# Altium PCB MotorBoard.PcbDoc (part 1 of 2)
Units mm, origin at the board's own origin, x right, y up, seen from the top; angles counter-clockwise.
Board outline 21 x 37.5 mm, 8 copper layers (Top Layer, GND 1, Layer 3, PWR 1, GND 2, Layer 4, PWR 2, Bottom Layer), stack 1.994 mm thick; 130 components, 81 nets, 481 pads, 304 vias.
Unrouted connection lines stored in the file: 4.
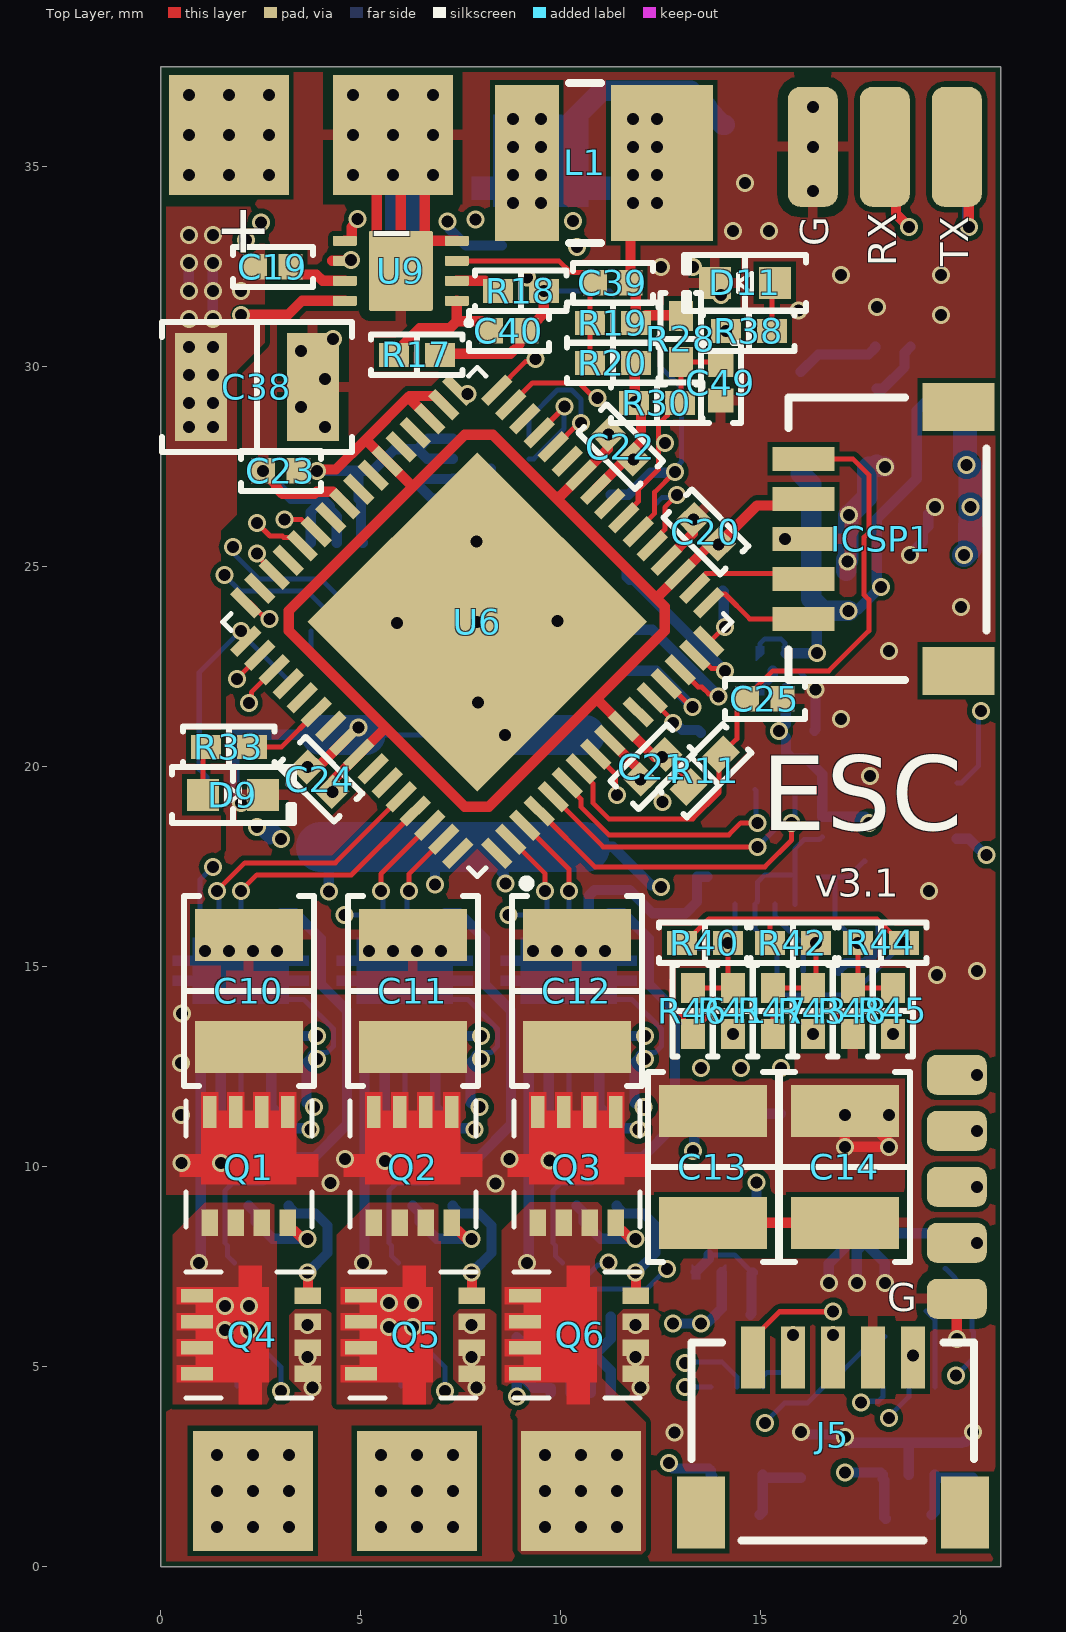
[diagram p0: Top Layer view]
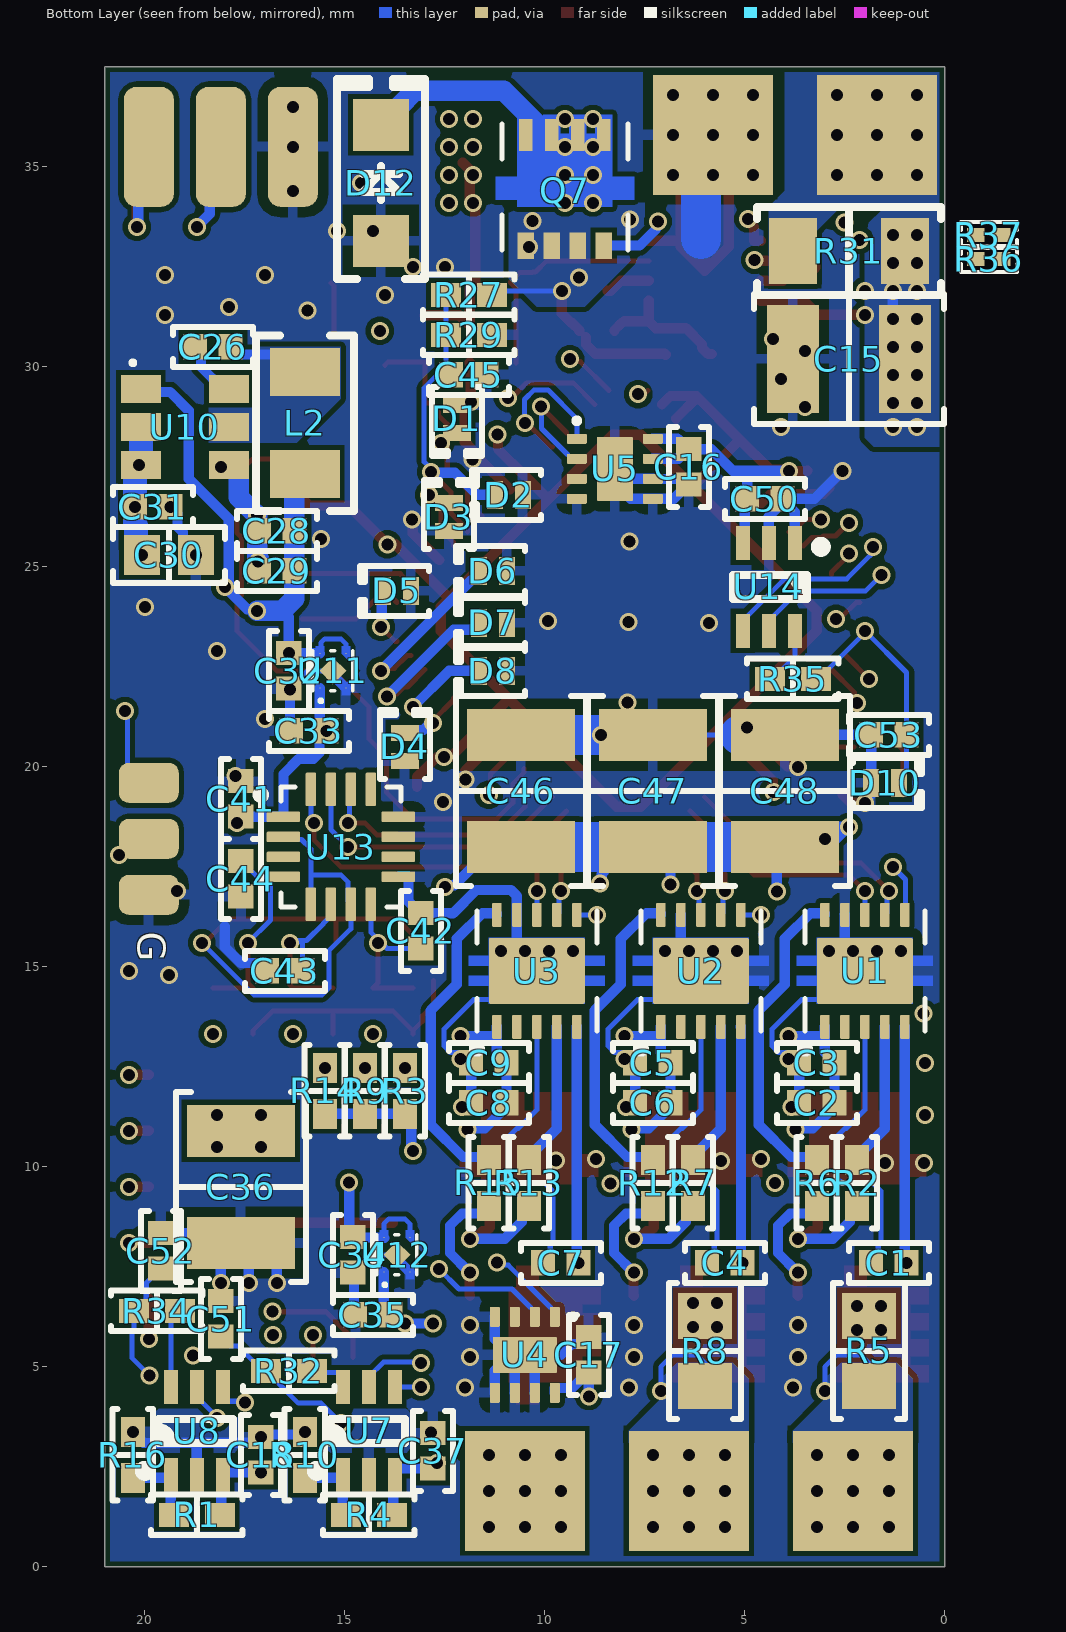
[diagram p1: Bottom Layer view, seen from below]
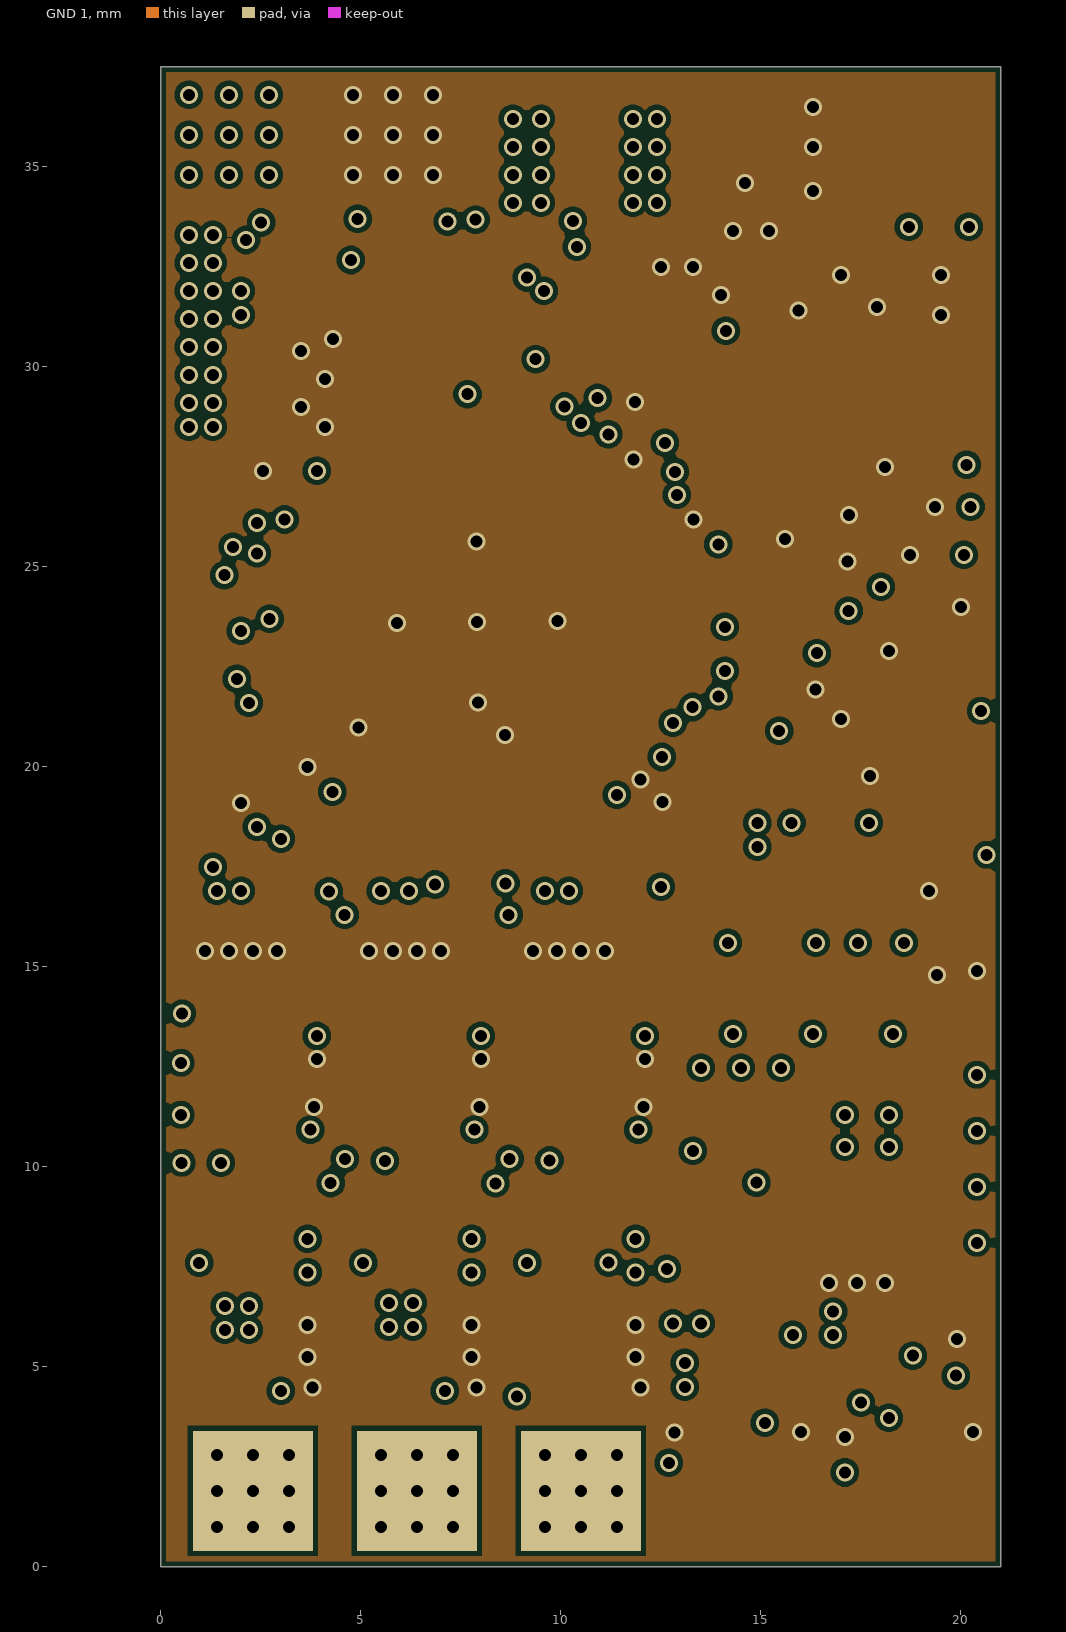
[diagram p2: GND 1]
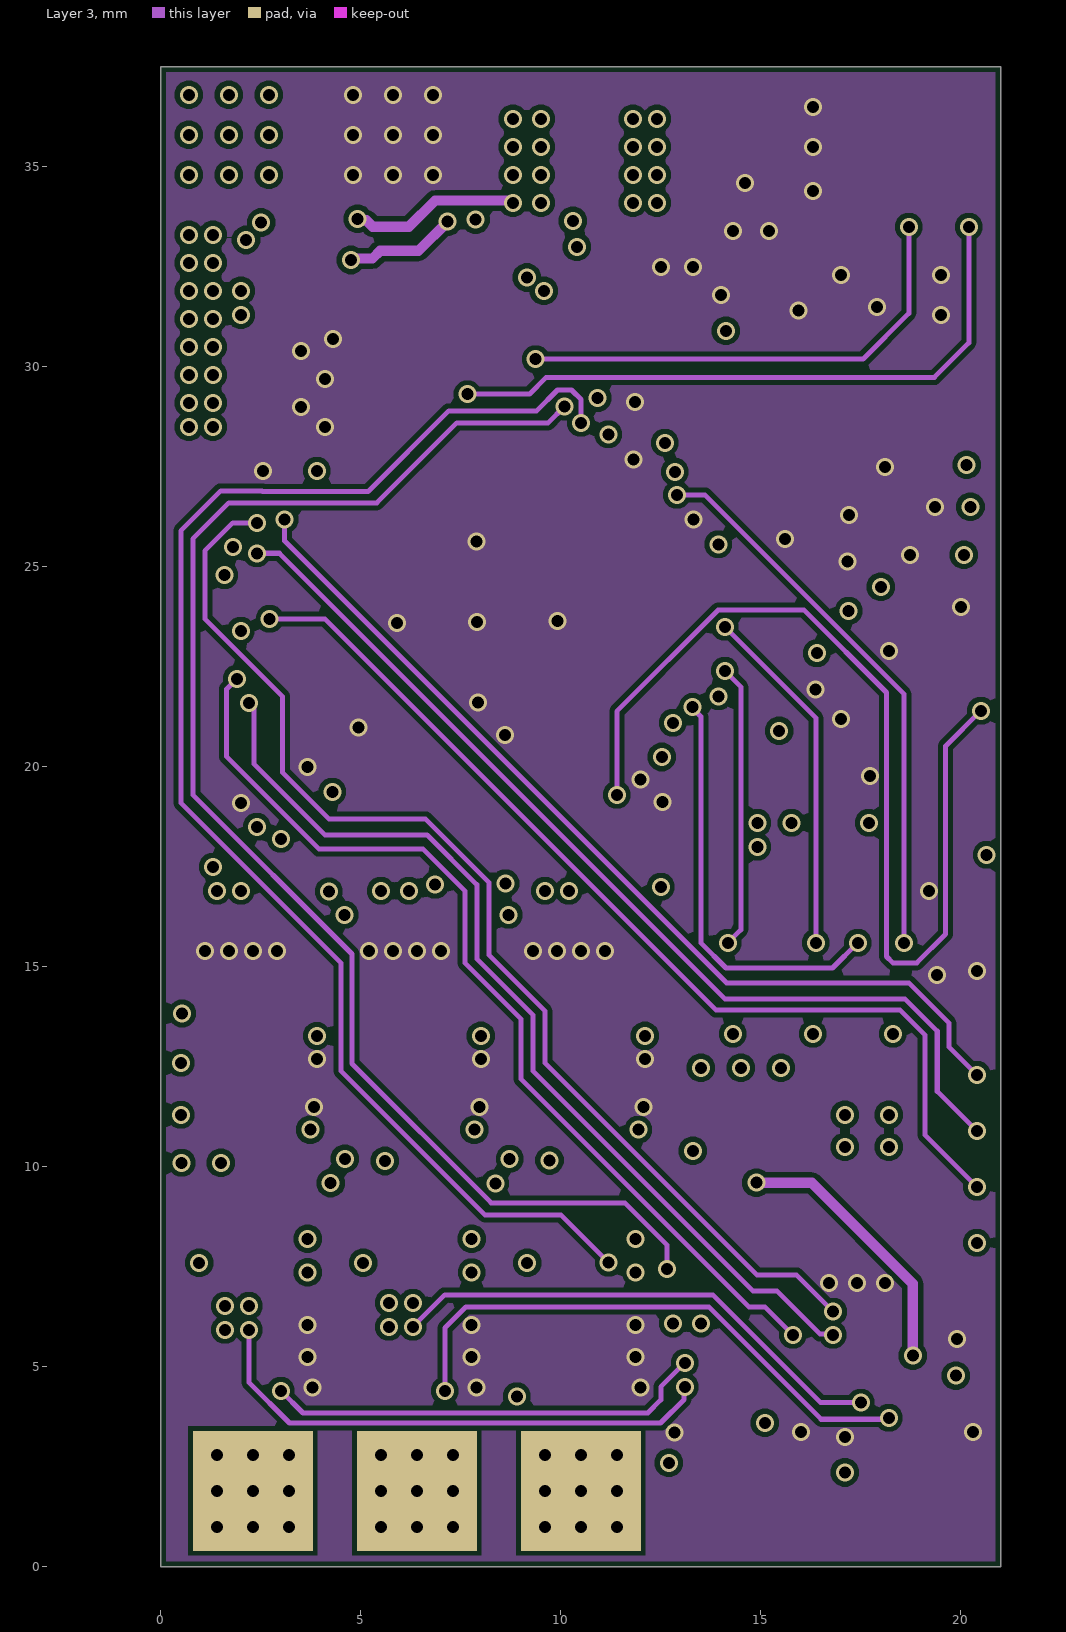
[diagram p3: Layer 3]
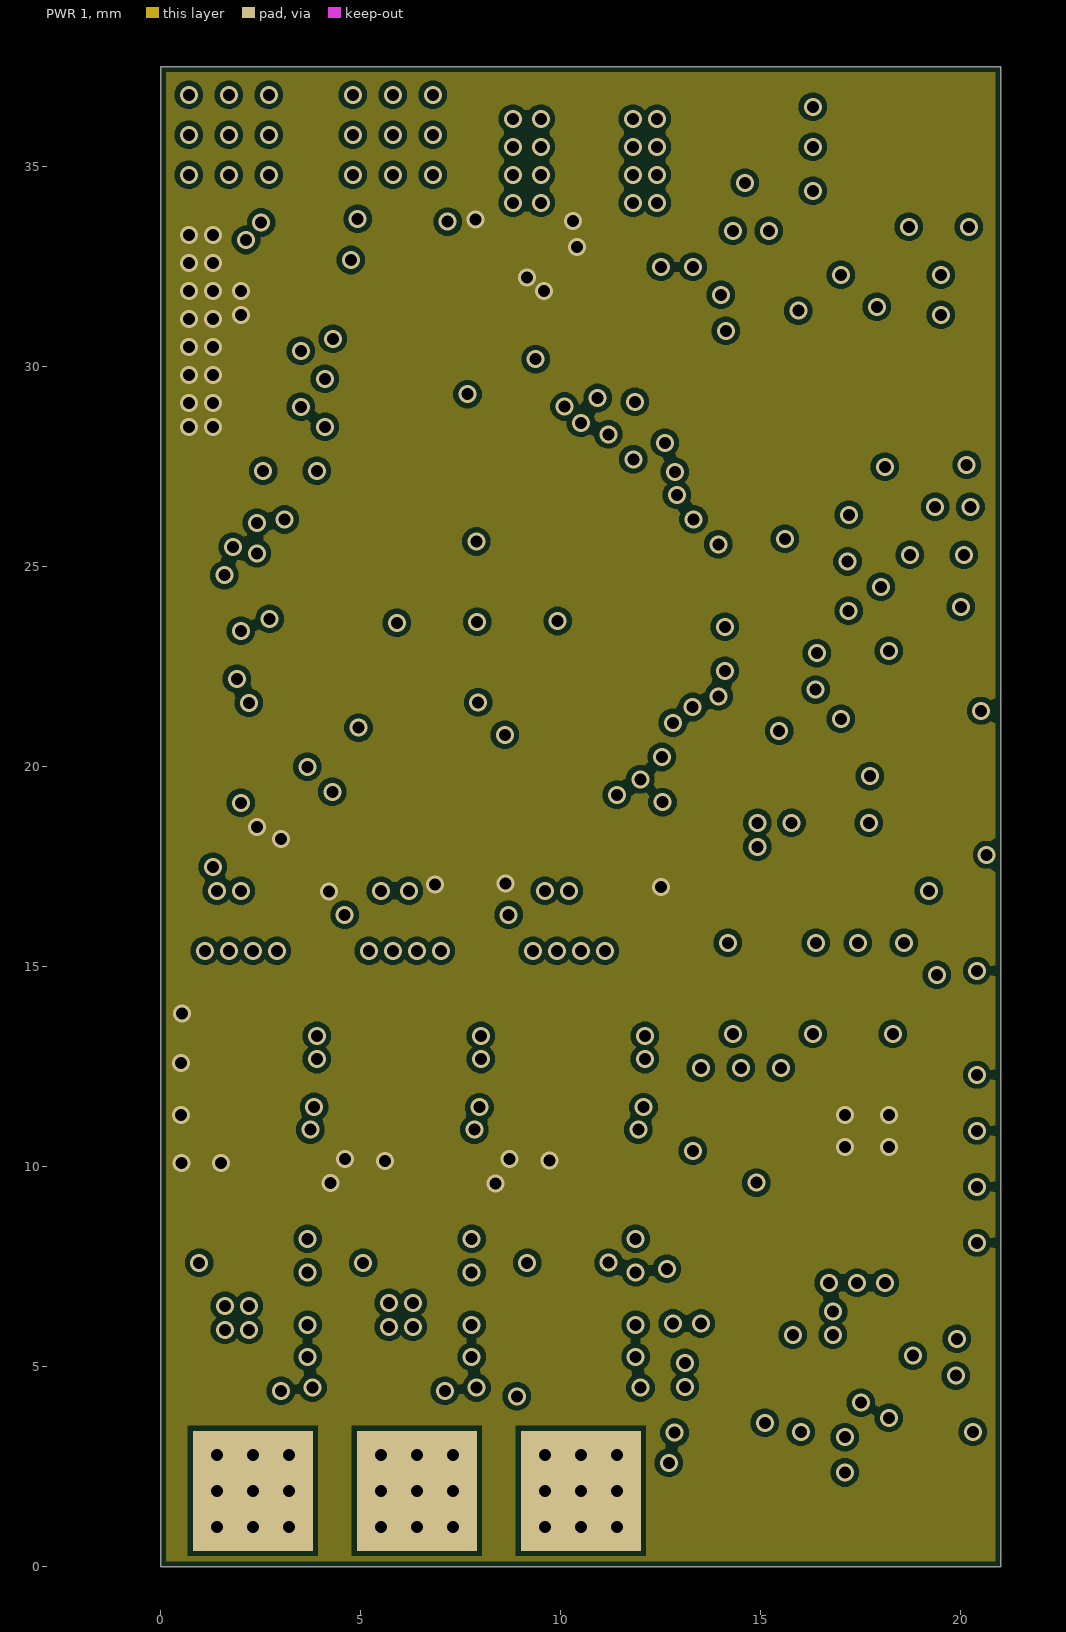
[diagram p4: PWR 1]
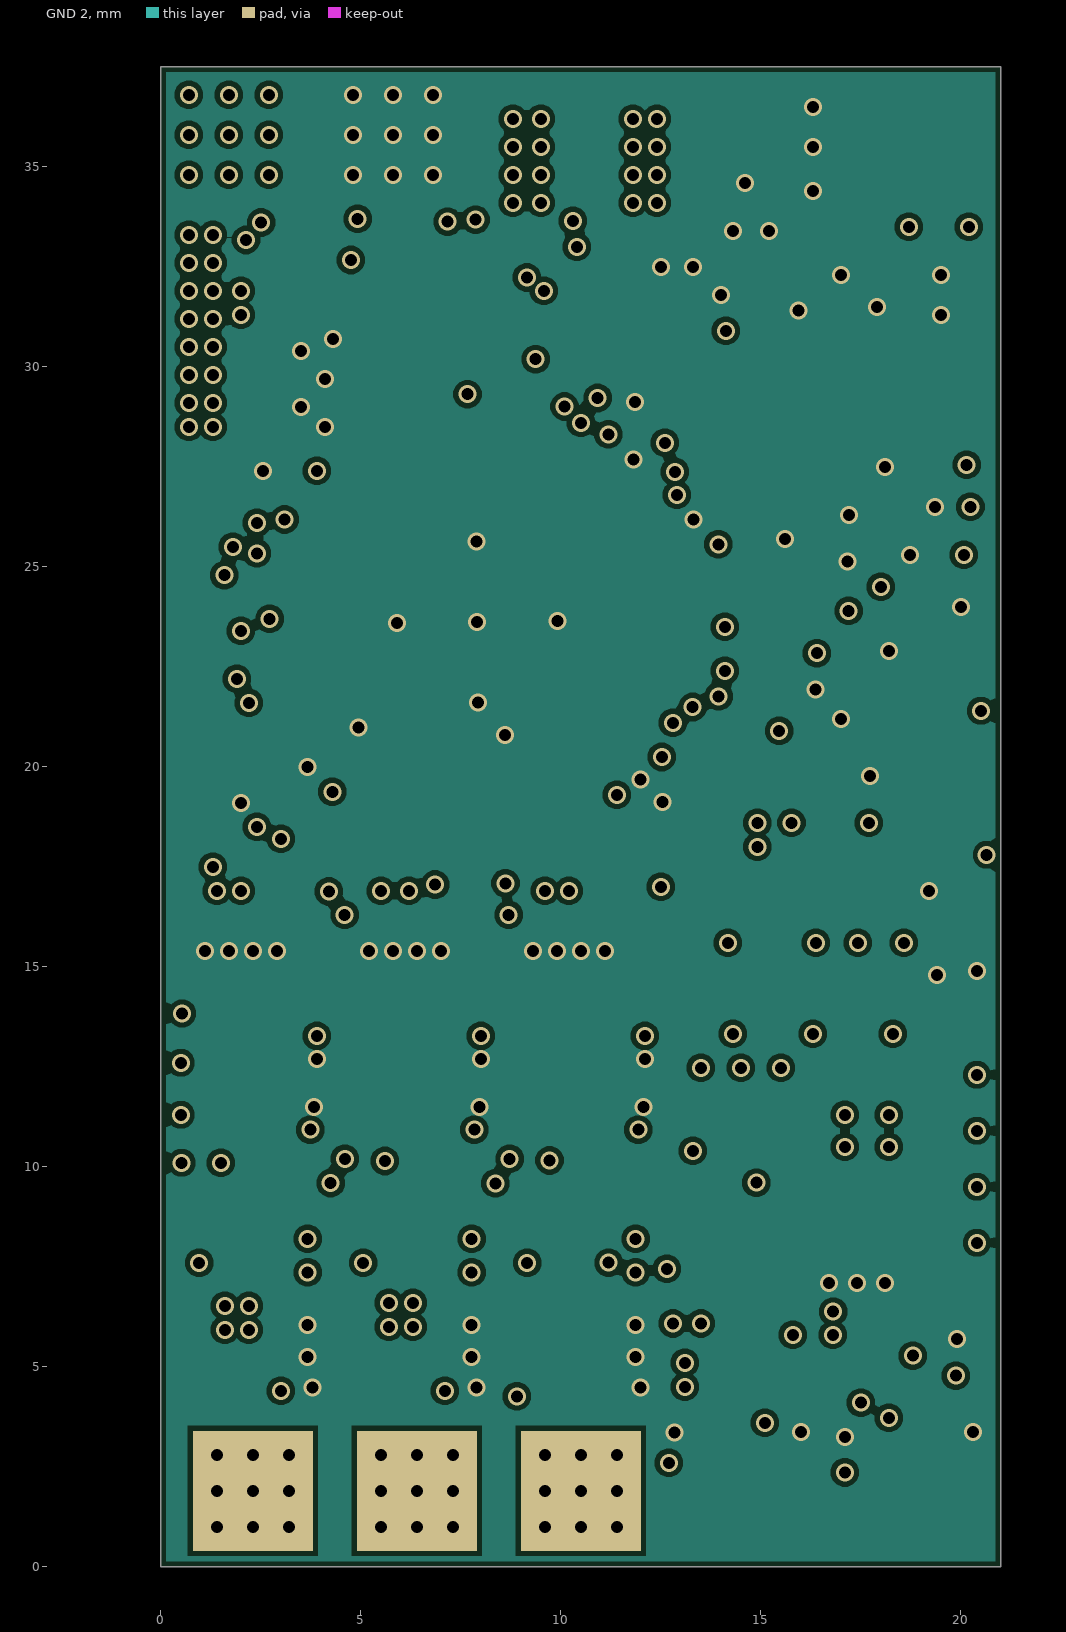
[diagram p5: GND 2]
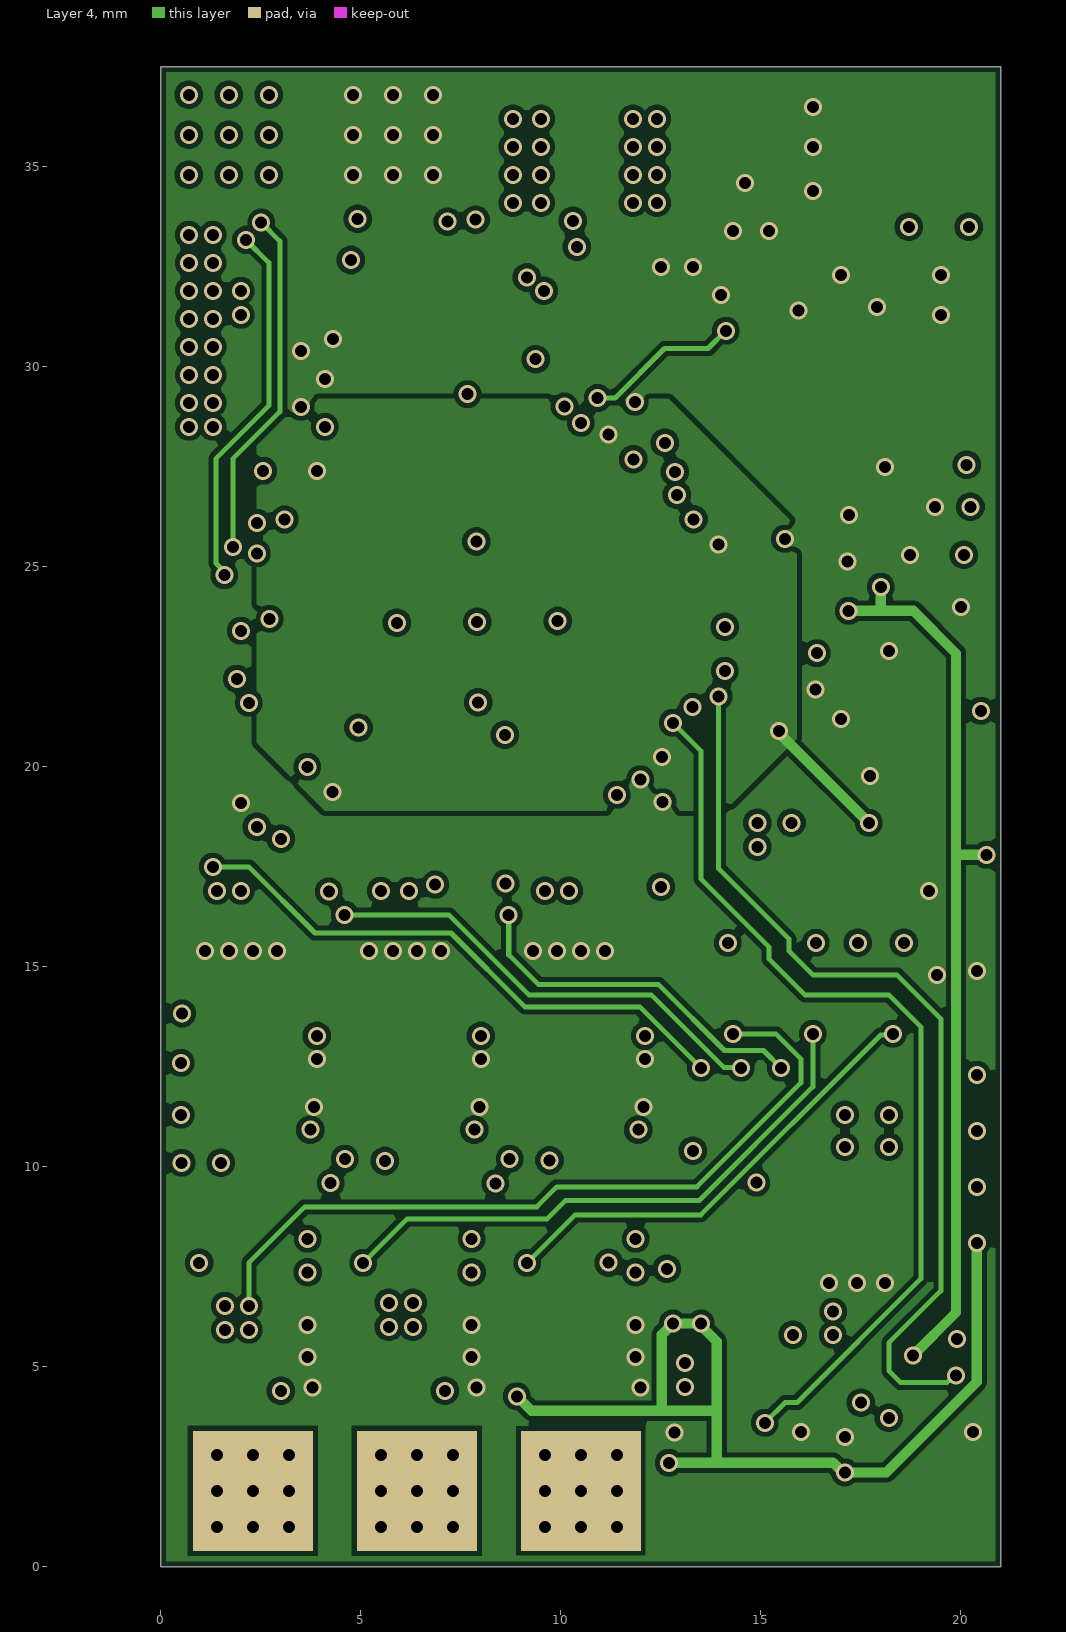
[diagram p6: Layer 4]
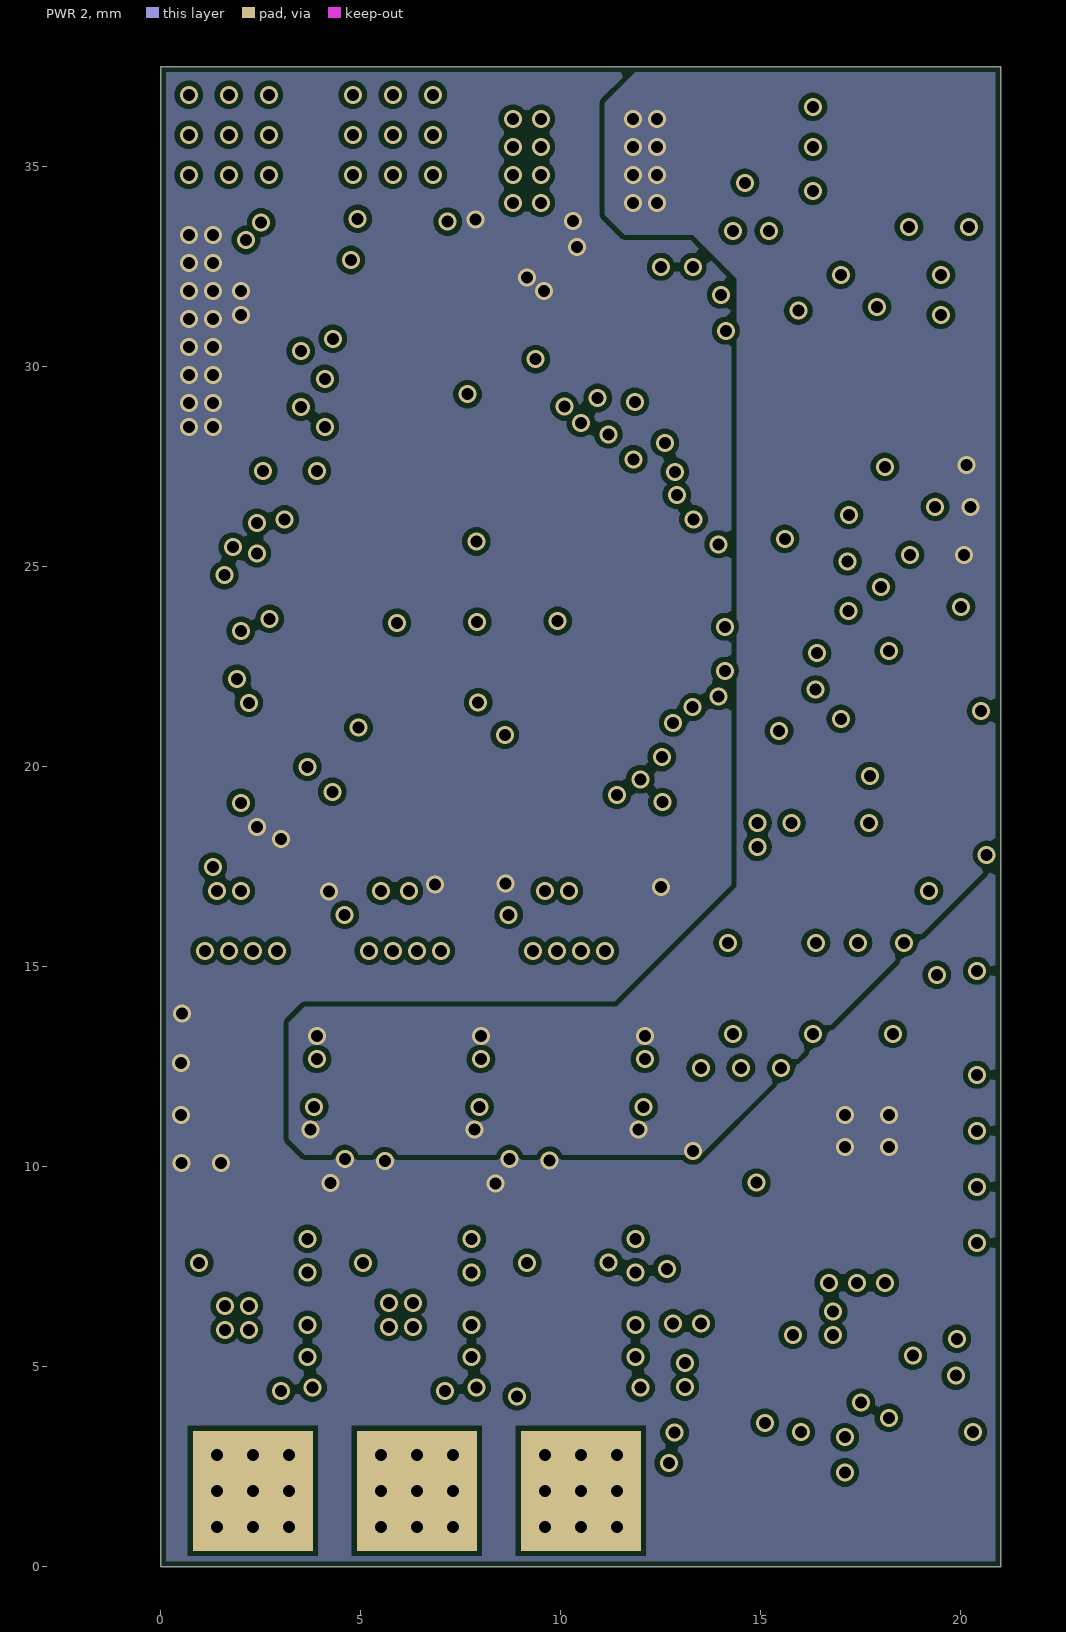
[diagram p7: PWR 2]
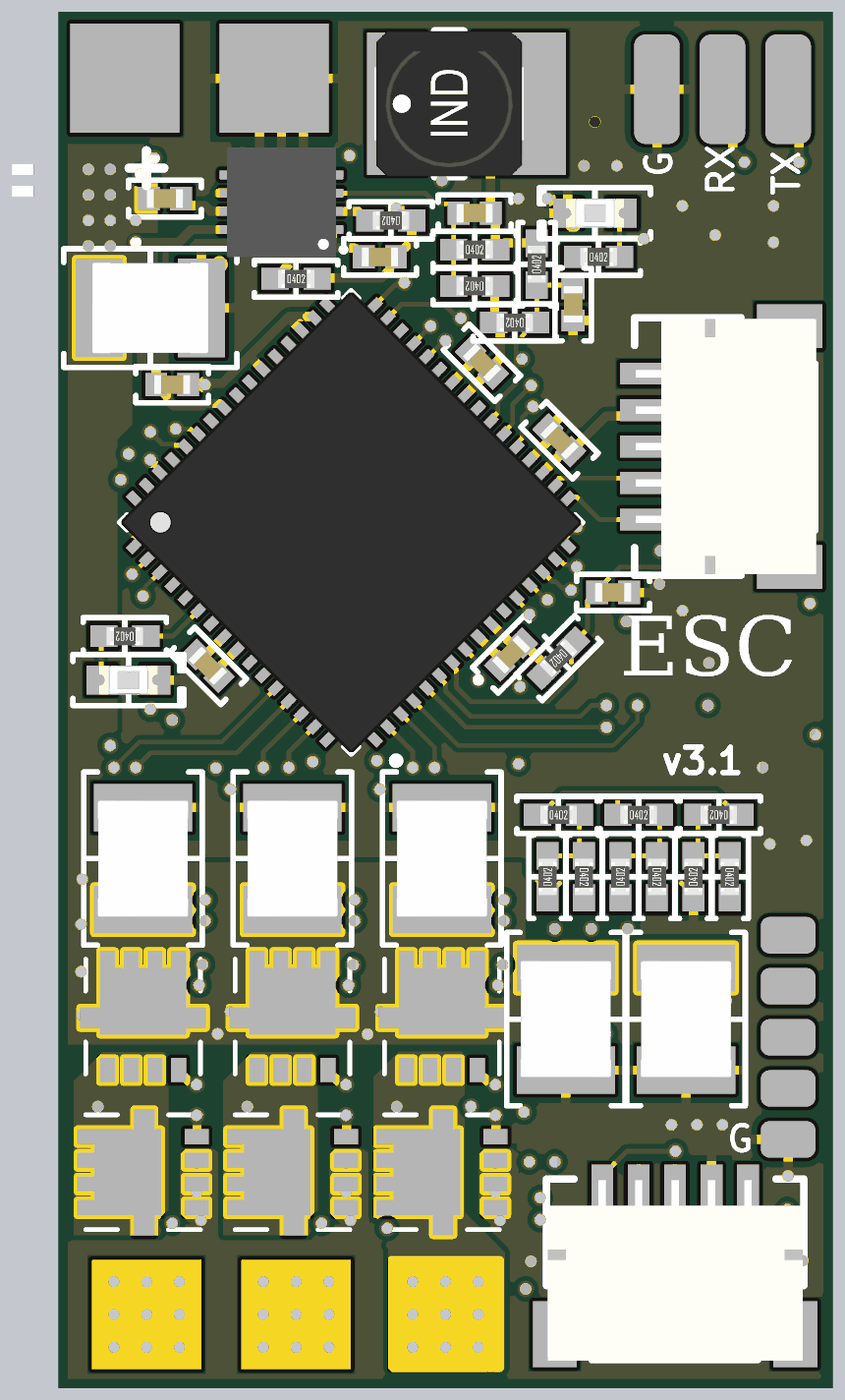
[diagram p9: 3D render of the assembled board from above, using the file's embedded part models]